# Allegro board pc051c_toplevel_209edited.brd (continued)
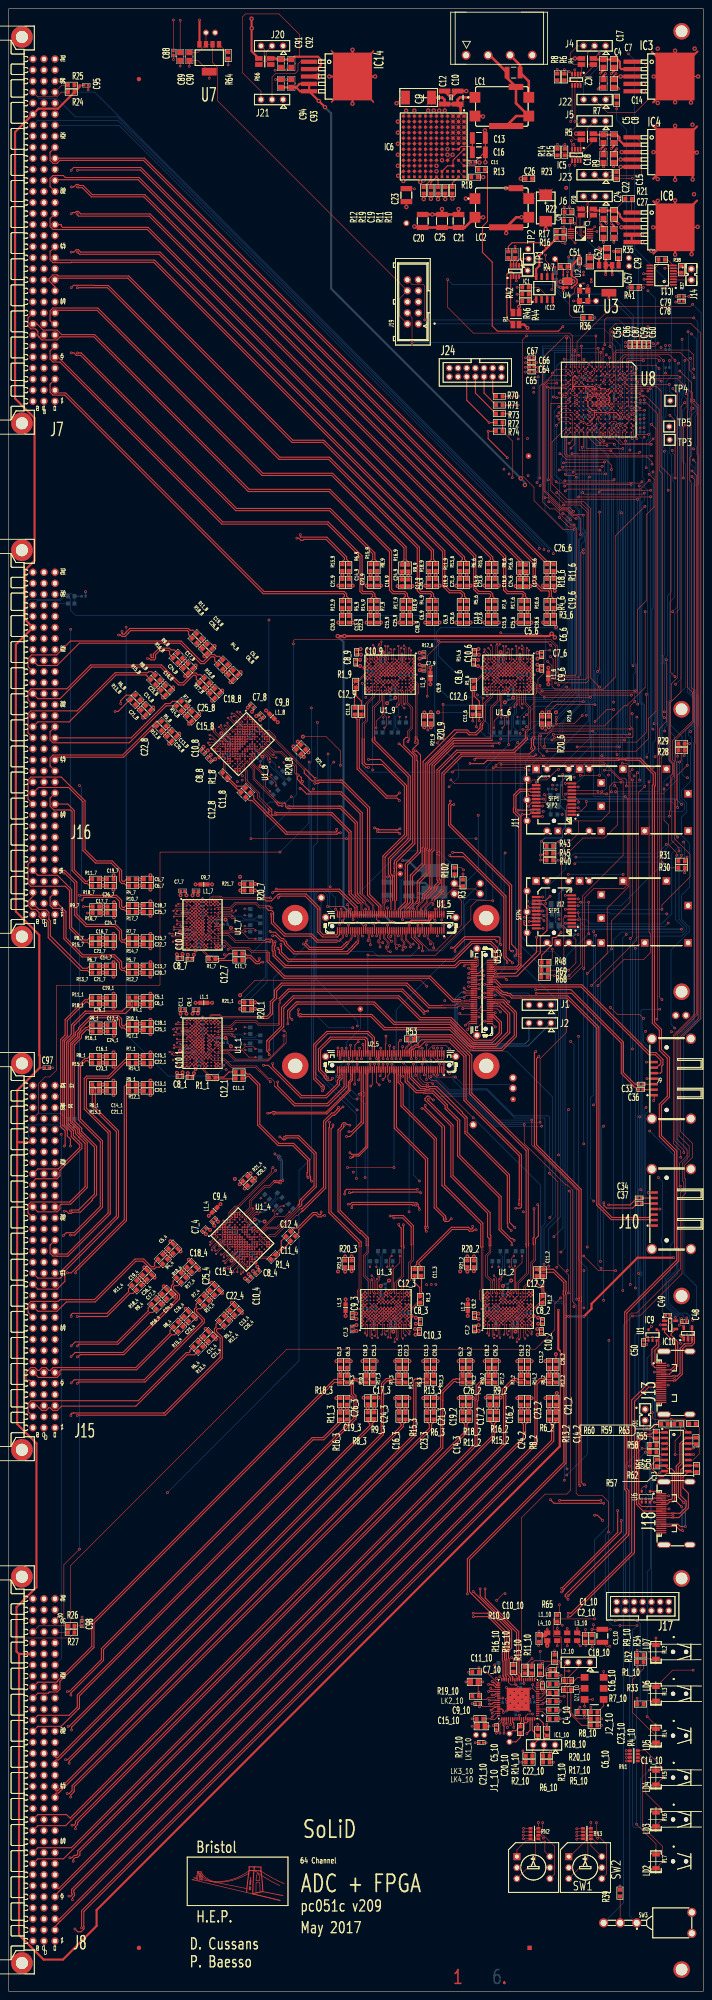
[diagram p0: board, top side]
## Routing (per net, layer and track width the routed paths; a pad name or vN(x,y) marks a point on that pad's centre or on a via; arc(x,y) is an arc through that point) (continued)
; U1_6.B4 v4(119.8,304.55) U1_6.A4 ; U1_6.B4 v4(119,304.55) ; U1_9.N7 v4(83.05,302.15) ; v4(83.05,302.15) U1_9.P7 v4(82.25,302.15) ; v4(83.05,302.15) U1_9.N6 v4(83.05,302.95) U1_9.N5 ; v4(53.28,289.83) U1_8.F2 ; U1_8.F2 v4(52.72,289.26) U1_8.G3 ; U1_8.F2 v4(52.72,290.39) U1_8.F1 ; U8.J7 v1(134.9,367.25) ; U8.J7 134.85,367.75 ; U8.J7 U8.J8 ; v4(109.35,159.5) 109.55,159.5 U1_2.A9 ; U1_2.A9 109.57,160.08 109.57,160.2 ; U1_6.J4 v4(113.4,303.75) 113.4,303.63 ; U1_6.J4 v4(114.2,303.75) ; U1_6.J4 v4(114.2,304.55) ; U1_3.A6 v4(82.1,157.8) ; U1_3.A6 v4(81.3,157.8) U1_3.A7 v4(82.1,157.8) ; RN3.4 130.95,35.1 v1(130.85,35) ; U1_2.J5 v4(115.85,157) ; U1_9.A4 v4(92.65,304.55) U1_9.B4 ; U1_9.A4 v4(92.65,303.75) ; v4(52.67,173) U1_4.F4 ; U2_5.80 80.81,215.86 v1(80.81,217.01) ; v1(135.9,365.25) U8.J10 ; U8.J10 U8.J9 ; U8.J10 U8.H10 136.4,365.25 ; U8.J10 U8.K10 U8.K9 ; v4(90.62,307.78) 90.62,306.58 U1_9.D1 U1_9.D2 v4(91.05,305.35) U1_9.C3 ; U1_4.H3 v4(52.1,171.3) U1_4.G3 ; v4(52.4,292.37) 53.24,291.53 U1_8.D1 U1_8.D2 v4(54.42,290.96) U1_8.C3 ; U1_2.H3 v4(115.05,154.6) U1_2.G3 ; U1_2.H3 v4(115.85,155.4) ; U1_2.H3 v4(115.05,155.4) ; v4(43.05,213.35) U1_1.N4 v4(43.05,214.15) U1_1.M4 v4(43.05,214.95) U1_1.M3 v4(42.25,214.95) U1_1.L2 v4(41.45,214.95) U1_1.L1 40.85,215.35 v4(40.55,215.05) ; v4(43.05,213.35) U1_1.P4 ; v4(87.09,298.56) 87.42,298.89 87.42,299.32 U1_9.H10 87.42,299.38 87.42,300.12 U1_9.H9 ; U1_3.F4 v4(86.1,155.4) ; U1_3.F4 v4(85.3,156.2) U1_3.F5 v4(86.1,157) ; U1_3.F4 v4(86.1,156.2) ; v4(86.1,155.4) U1_3.G3 ; v4(86.1,155.4) U1_3.G4 ; U1_3.P10 v4(92.5,161) ; U1_8.J5 v4(53.28,286.43) ; 109.57,155.4 v4(109.45,155.4) ; 109.57,155.4 109.57,155.28 U1_2.A3 v4(109.45,154.6) U1_2.A2 v4(109.45,153.8) U1_2.A1 v4(109.45,153) ; 109.57,155.4 109.57,155.52 U1_2.A4 ; v2(51.33,168.12) 52.1,168.9 U1_4.J1 U1_4.J2 v4(52.67,170.74) ; 59.51,288.13 U1_8.A10 ; 59.51,288.13 U1_8.B10 v4(60.07,287.57) U1_8.A10 ; v4(114.25,155.4) U1_2.G3 ; v4(114.25,155.4) U1_2.F4 ; v4(114.25,155.4) U1_2.G4 ; U1_2.G3 v4(115.05,155.4) ; U1_2.J4 v4(115.85,155.4) ; U1_6.A5 v4(120.6,303.75) U1_6.A4 ; U1_6.A5 120.6,302.95 ; v4(86.9,156.2) U1_3.G4 ; U1_3.G4 v4(86.1,156.2) ; v1(152.4,154.8) 152.4,155.4 C49.1 ; v4(86.25,302.95) U1_9.J6 v4(87.05,302.95) ; v4(86.25,302.95) U1_9.J5 ; 120.6,302.95 v4(121.1,302.95) ; U1_7.A5 v4(43.85,250.2) ; U1_7.A5 v4(43.85,251) U1_7.A4 ; U1_7.A5 44.65,251 ; v4(43.85,250.2) U1_7.A4 ; U1_9.B4 v4(91.85,304.55) ; U1_9.B4 v4(92.65,303.75) ; v4(91.85,304.55) U1_9.C3 ; v4(53.28,286.43) U1_8.H5 ; U1_2.F4 v4(114.25,156.2) ; v1(134.45,79.3) 134.35,79.4 C2_10.1 ; U1_1.D5 v4(43.85,220.55) U1_1.E5 ; v4(49.04,244.65) 48.71,244.97 48.28,244.97 U1_7.H10 48.22,244.97 47.48,244.97 U1_7.H9 ; v4(91.7,157.8) U1_3.P7 v4(92.5,157.8) ; v4(91.7,157.8) U1_3.N7 ; v1(63.97,442.1) 64.5,442.1 C92.1 ; v4(115.8,302.95) U1_6.F6 ; U1_4.D5 v4(51.54,174.13) U1_4.E5 ; U1_4.D5 U1_4.C6 U1_4.B5 v4(49.84,175.83) ; U1_8.C3 v4(55.55,290.96) ; U1_8.C3 v4(54.98,291.53) ; RN3.3 130.95,35.9 v1(130.85,35.8) ; v4(55.55,290.96) U1_8.C4 v4(55.55,289.83) U1_8.D5 ; v4(86.1,157) U1_3.F6 ; U4.2 128.7,395.63 v1(128.73,395.65) ; U1_1.P10 v4(48.65,212.55) ; U1_1.P10 v4(47.85,212.55) U1_1.P9 v4(47.85,213.35) ; U1_1.P10 v4(47.85,213.35) ; U1_1.P10 v4(48.65,213.35) U1_1.N10 v4(47.85,213.35) ; U1_9.P3 v4(83.05,305.35) U1_9.P2 v4(82.25,306.15) U1_9.P1 v4(82.25,306.95) ; R31.2 156.25,260.55 v1(156.25,260.98) ; v4(43.85,244.6) U1_7.H5 ; J13.5 v1(148.7,142.5) ; v4(115.05,156.2) U1_2.H5 ; v4(115.05,156.2) U1_2.G5 ; v4(115.05,156.2) U1_2.G4 ; U1_2.H5 v4(115.05,157) ; U1_2.H5 v4(115.85,157) ; U8.L11 133.45,363.71 133.45,363.7 v1(133.85,363.3) ; v4(91.7,155.4) U1_3.P3 ; v4(91.7,155.4) U1_3.P4 ; U1_3.P3 v4(91.7,154.6) U1_3.P2 v4(92.5,153.8) U1_3.P1 v4(92.5,153) ; U1_3.P3 92.4,155 v2(92.8,155.4) ; C50.1 v1(146.98,148.85) ; v4(43.05,249.4) U1_7.C3 ; J13.11 v1(151.92,139.5) ; U1_8.G5 v4(53.28,287.57) ; 151.95,396.49 v1(151.95,397.05) 152.02,397.12 IC11.8 151.72,398.5 R38.2 ; 151.95,396.49 v1(151.14,396.49) ; 151.95,396.49 IC11.7 154.49,396.49 R37.2 ; U1_1.F2 v4(41.45,219.75) U1_1.F1 ; U1_1.F2 v4(42.25,219.75) ; v1(144.75,74.6) R32.1 R34.1 v1(144.75,78.5) ; U1_2.G5 v4(115.05,157) ; U1_2.G5 v4(114.25,156.2) ; v1(130.4,442.13) 130.43,442.11 IC2.3 ; U1_7.P4 v4(43.05,240.6) ; v4(43.05,240.6) U1_7.N4 v4(43.05,241.4) U1_7.M4 v4(43.05,242.2) U1_7.M3 v4(42.25,242.2) U1_7.L2 v4(41.45,242.2) U1_7.L1 40.85,242.6 v4(40.55,242.3) ; v4(59.46,171.87) U1_4.P10 ; v4(59.46,171.87) U1_4.N10 v4(60.02,172.43) U1_4.P10 ; v4(59.46,171.87) U1_4.P9 v4(60.02,171.3) U1_4.P10 ; v4(59.46,171.87) U1_4.N9 ; U1_4.P10 v4(60.59,171.87) ; U1_9.P10 v4(82.25,299.75) U1_9.P9 v4(83.05,299.75) ; U1_9.P10 v4(83.05,299.75) ; U1_9.P10 v4(83.05,298.95) U1_9.N10 v4(83.05,299.75) ; U1_9.P10 v4(82.25,298.95) ; v4(87.05,302.95) U1_9.J5 ; 93.33,299.75 93.33,299.63 U1_9.A10 ; 93.33,299.75 v4(93.45,299.75) ; v4(53.28,287.57) U1_8.H5 ; v1(118.75,247.15) 118.92,246.98 J12.17 122.67,246.98 v1(123.3,246.35) ; C93.1 v1(63.97,439.9) ; U1_2.D5 v4(112.65,156.2) U1_2.E5 ; J18.8 v1(152.1,111) ; 44.65,251 v4(44.65,251.5) ; 44.65,251 U1_7.A6 ; v4(44.65,245.4) U1_7.H5 ; v4(115.8,304.55) U1_6.G3 ; 120.48,299.75 v4(120.6,299.75) ; v4(110.2,299.75) U1_6.N9 ; 136.4,365.25 U8.H9 U8.G9 U8.G10 137.4,364.75 v1(136.9,365.25) ; 136.4,365.25 136.9,365.25 ; RN2.1 v1(118.6,37.5) ; v1(46.2,440.2) U7.5 43.6,444.3 C90.1 v1(41.6,442.95) ; v4(114.2,304.55) U1_6.H3 ; U1_6.H3 v4(115,305.35) U1_6.G3 ; C98.1 v1(16.9,86.1) ; U1_8.B7 v4(57.81,289.83) ; U1_8.K5 v4(51.59,285.87) ; v4(47.85,213.35) U1_1.N9 ; C89.1 v1(39.5,443) ; v4(87.05,305.35) U1_9.J2 U1_9.J1 86.15,307.05 v2(86.15,308.15) ; U1_2.G4 v4(114.25,156.2) ; U1_2.G4 v4(115.05,155.4) ; R29.2 v1(156.8,287.1) ; v1(90.75,210.54) U2_5.39 ; v4(83.05,299.75) U1_9.N9 ; U1_4.H9 56.11,174.7 56.63,175.22 U1_4.H10 56.67,175.26 56.98,175.57 v4(57.44,175.57) ; 134.85,367.75 U8.K7 U8.K8 ; U1_9.G4 v4(88.65,303.75) ; v4(87.66,161.39) 87.33,161.06 87.33,160.63 U1_3.H10 87.33,160.57 87.33,159.83 U1_3.H9 ; v4(119,304.55) U1_6.C3 ; U1_6.C3 v4(118.2,305.35) U1_6.D2 U1_6.D1 117.77,306.58 v4(117.77,307.78) ; U1_6.C3 v4(119,305.35) ; v1(149.55,379.25) 148.8,378.5 C60.1 C59.1 C87.1 C86.1 C56.1 v1(142.05,378.5) ; J18.5 148.92,112.5 148.87,112.55 v1(148.7,112.55) ; v4(115.05,157) U1_2.H6 v4(115.85,157) ; U1_1.H3 v4(43.05,218.15) ; C64.1 v1(119,373.7) ; 109.57,160.2 109.57,160.32 U1_2.A10 ; 109.57,160.2 v4(109.45,160.2) ; 49.84,176.96 U1_4.A6 ; 49.84,176.96 v4(49.49,177.31) ; RN1.3 v1(142.3,53.8) ; v4(43.85,245.4) U1_7.H5 ; U1_9.C3 v4(91.85,305.35) ; U1_7.C3 v4(42.25,249.4) ; v4(119.85,160.2) U1_2.N9 ; U1_1.C3 v4(42.25,221.35) U1_1.D2 U1_1.D1 41.02,220.92 v4(39.82,220.92) ; U1_1.C3 v4(42.25,222.15) ; U1_3.B7 v4(82.1,157.8) ; U6.2 v1(146.76,113.35) ; QZ1.2 v1(130.1,388.95) ; v4(42.25,217.35) U1_1.J2 U1_1.J1 40.55,216.45 v2(39.45,216.45) ; U2.1 v1(132.41,395.6) ; U1.2 v1(148.3,150.5) ; IC12.4 v1(125.31,388.02) ; RN1.2 v1(142.25,54.6) ; v1(117.1,390.5) R44.2 ; RN3.1 130.95,37.5 v1(130.85,37.4) ; C24_8.1 v2(40.66,302.66) ; v1(135,406) 134.45,405.45 IC7.5 ; RN2.4 v1(118.55,35.1) ; C17_8.1 v2(43.07,305.07) ; C94.1 v1(61.5,439.9) ; C79.1 v1(153.75,390) ; U8.F11 v1(138.9,364.25) ; v1(153.35,141) J13.8 ; R33.1 v1(144.75,67.45) ; J18.11 v1(153,109.5) ; RN1.1 v1(142.25,55.4) ; RN2.3 v1(118.55,35.9) ; C26_4.1 C19_4.1 ; v1(90.75,217.36) U2_5.40 ; C88.1 v1(37.95,444.5) ; RN1.4 v1(142.3,53)
  TOP w0.15: U8.H7 v1(136.9,367.25) ; v1(136.9,367.25) U8.G8 v1(136.9,366.25) ; v1(136.9,367.25) U8.G7 ; v1(136.9,367.25) U8.H8 ; U8.J9 v1(135.9,365.25) U8.H9 ; U8.J9 v1(134.9,365.25) ; U8.J9 v1(135.9,366.25) ; 136.9,365.25 U8.H9 ; 136.9,365.25 v1(136.9,365.25) 136.9,365.25 U8.H10 136.41,364.74 137.39,364.74 U8.G10 ; 136.9,365.25 U8.G9 v1(136.9,366.25) ; U8.H9 v1(135.9,366.25) ; U8.H9 v1(136.9,366.25) ; v1(136.9,366.25) U8.H8 ; U8.H8 v1(135.9,367.25) U8.J7 ; U8.H8 v1(135.9,366.25) ; v1(133.9,367.25) U8.K8 ; U8.K8 v1(134.9,367.25) U8.J8 v1(135.9,366.25) ; U8.K8 v1(133.9,366.25) U8.K9 v1(134.9,365.25) ; U8.K10 v1(134.9,365.25) ; v1(134.9,365.25) U8.J10
  TOP w0.17: R20_10.1 v1(127.05,64.7) ; C6_10.1 v1(132.6,63.25) ; R7_10.1 v1(136.55,61.2) ; C9_10.1 v1(106.75,66.2) ; C1_10.1 132.95,80.35 v1(132.95,79.57) ; R4_10.1 v1(136.55,62.7) ; v1(122.05,79.56) 122.15,79.66 C10_10.1 ; v1(118.21,52.7) R3_10.1 ; C11_10.1 v1(105.95,73.4) ; R17_10.1 v1(127.05,62.7) ; C7_10.1 v1(105.31,71.2) ; C23_10.1 v1(125.75,78.34) ; R15_10.1 116.25,76.4 v1(115.85,76.8) ; C21_10.1 v1(107.45,57.2) ; C18_10.1 v1(124.15,74) ; C5_10.1 v1(112.35,59.4) ; R13_10.1 122.45,75 v1(122.95,75.5) ; R18_10.1 v1(126.99,70.7) ; v1(106.75,62.7) R12_10.1 ; C4_10.1 v1(122.95,71.4) ; QZ1_10.3 v1(137.05,73.6) ; v1(120.55,76.6) 118.85,74.9 R16_10.1 ; v1(125.49,52.7) R6_10.1 ; C15_10.1 v1(106.75,61)
  TOP w0.18: U1_5.1 v1(100.25,245.33) ; v1(112.1,234.65) 112.05,234.7 U3_5.11 ; J11.14 119.87,275.13 v1(119.5,275.5) ; U2_5.29 v1(93.25,213.33) ; U1_5.89 v1(78.25,245.33) ; v1(104.6,226.1) 104.7,226.2 U3_5.46 ; U1_5.74 v1(82.25,249.03) ; U3_5.12 107.02,234.57 106.31,234.57 105.97,234.23 v1(105.97,234.15) ; v1(113.3,238.45) 113.3,237.2 112.3,236.2 U3_5.5 ; U2_5.19 v1(95.75,210.87) ; U1_5.63 v1(84.75,242.87) ; U3_5.17 114.25,233.2 v1(114.7,232.75) ; U2_5.50 v1(88.25,214.57) ; U2_5.49 v1(88.25,213.33) ; U3_5.45 110.98,226.07 112.53,226.07 v1(113.25,225.35) ; J9.4 v1(147,210) ; U3_5.29 112.25,230.2 113.65,228.8 114.08,228.8 v1(115.21,227.67) ; U1_5.73 v1(82.25,245.33) ; v1(148.55,204.95) 148.69,205.09 J9.1 ; U3_5.6 105.15,236.2 v1(104.9,235.95) ; U1_5.7 v1(98.75,242.87) ; J12.20 v1(123.1,244.58) ; J10.7 v1(147.36,183.81) ; J12.1 v1(131.18,244.98) ; U3_5.18 v1(105.92,233.2) ; J10.4 v1(150.02,180) ; J11.9 v1(131.18,277.13) ; U3_5.36 v1(108.38,228.7) ; J12.11 v1(122.98,251.78) ; U3_5.24 v1(108.38,231.7) ; U2_5.79 80.75,209.85 v1(80.6,209.7) ; v1(119.6,249.7) 119.92,249.38 J12.14 ; U1_5.53 v1(87.25,245.33) ; U1_5.25 v1(94.25,245.33) ; U1_5.83 v1(79.75,242.87) ; J11.1 v1(131.18,270.73) ; U1_5.30 v1(93.25,249.03) ; J12.10 v1(128.22,252.18) ; J11.10 v1(128.22,277.93) ; J11.17 v1(122.98,272.73) ; U3_5.30 105.55,230.2 v1(104.9,230.85) ; U2_5.69 v1(83.25,213.33) ; U1_5.64 84.75,246.65 v1(85.3,246.1) ; U2_5.89 v1(78.25,213.33) ; U1_5.19 v1(95.75,242.87) ; U1_5.33 v1(92.25,245.33) ; U2_5.70 v1(83.25,214.57) ; U3_5.23 v1(109.62,231.7) ; J11.20 v1(122.93,270.33) ; J11.11 v1(121.5,278.25) ; J9.7 v1(146.9,213.81) ; U1_5.43 v1(89.75,242.87) ; U1_5.54 v1(87.25,249.3) ; J10.1 v1(147.36,176.19) ; U3_5.35 v1(109.62,228.7) ; J12.9 v1(131.18,251.38)
  TOP w0.25: C10_3.1 93.95,151.35 v2(93.7,151.1) ; v2(38.75,211.35) 39,211.1 C10_1.1 ; v2(80.95,306.35) 80.9,306.3 C8_9.1 ; C15_2.1 v2(117.15,145) ; C20_8.1 v2(36.95,287.07) ; C7_1.1 v2(39.6,224.95) ; C7_6.1 v2(121.8,308) ; C6_2.1 v2(106.95,145) ; C9_9.1 95,304.9 v2(94.65,305.25) ; C26_3.1 v2(78.8,136.5) ; C8_2.1 122,153.65 v2(121.95,153.6) ; v1(156.25,151.1) 156.45,150.9 IC10.2 ; C9_4.1 47.37,176.68 v2(47.37,176.18) ; C10_4.1 54.79,164.02 v2(54.44,164.02) ; C17_9.1 v2(93,323.35) ; C14_1.1 v2(24.15,209.55) ; v2(108.1,306.35) 108.05,306.3 C8_6.1 ; C16_2.1 v2(117.15,136.5) ; C6_8.1 v2(51.09,301.21) ; C16_1.1 v2(24.15,216.05) ; C22_4.1 v2(49.13,160.7) ; C9_1.1 42.7,225.3 v2(42.35,224.95) ; C9_7.1 42.7,252.55 v2(42.35,252.2) ; C18_4.1 v2(41.5,168.33) ; C10_7.1 39,238.35 v2(38.75,238.6) ; C8_1.1 41.3,211.2 v2(41.25,211.25) ; C6_1.1 v2(32.65,226.25) ; C5_8.1 v2(53.43,303.55) ; C8_8.1 46.57,284.45 v2(46.57,284.53) ; C17_6.1 v2(120.15,323.35) ; C22_2.1 v2(120.45,145) ; C14_3.1 v2(95.5,136.5) ; C25_1.1 v2(32.65,220.25) ; C19_3.1 v2(75.5,136.5) ; C20_3.1 v2(98.8,145) ; C13_1.1 v2(32.65,209.55) ; C9_3.1 79.75,155.05 v2(80.1,154.7) ; C19_7.1 v2(24.15,256.8) ; C23_4.1 v2(43.12,154.69) ; C24_6.1 v2(116.75,323.35) ; C26_7.1 v2(24.15,253.5) ; C17_2.1 v2(109.9,136.6) ; C18_2.1 v2(109.65,145) ; C22_6.1 v2(109.6,314.95) ; C15_8.1 v2(43.88,294) ; C15_1.1 v2(32.65,216.05) ; C16_6.1 v2(112.9,323.45) ; v2(44.87,286.36) 44.87,286.01 C10_8.1 ; C20_4.1 v2(53.73,156.1) ; C17_7.1 v2(24.25,250.55) ; C23_1.1 v2(24.15,212.75) ; C14_4.1 v2(45.39,152.42) ; C25_4.1 v2(43.83,166) ; C16_4.1 v2(40.79,157.02) ; C19_9.1 v2(99.25,323.45) ; C25_6.1 v2(117.1,314.95) ; IC1.3 v1(116.92,393.57) ; C18_3.1 v2(81.5,145) ; C24_1.1 v2(24.25,219.9) ; C6_3.1 v2(78.8,145) ; C22_7.1 v2(32.65,240) ; C20_2.1 v2(126.05,146.6) ; C17_1.1 v2(24.25,223.3) ; C13_9.1 v2(79.25,314.95) ; C23_6.1 v2(109.6,323.45) ; C5_4.1 v2(37.25,172.58) ; C18_6.1 v2(120.4,314.95) ; C18_9.1 v2(93.25,314.95) ; C5_9.1 v2(99.25,314.95) ; C15_9.1 v2(85.75,314.95) ; C20_9.1 v2(75.95,314.95) ; C24_9.1 v2(89.6,323.35) ; C25_3.1 v2(84.8,145) ; C5_1.1 v2(32.65,229.55) ; v2(93.8,153.6) 93.85,153.65 C8_3.1 ; C7_8.1 v2(55.09,295.38) ; C14_2.1 v2(123.65,136.5) ; C10_2.1 122.1,151.35 v2(121.85,151.1) ; C23_7.1 v2(24.15,240) ; C16_9.1 v2(85.75,323.45) ; C5_6.1 125.5,314.65 126.1,314.05 v2(126.1,313.92) ; C25_7.1 v2(32.65,247.5) ; C19_2.1 v2(103.65,136.5) ; C13_2.1 v2(123.65,145) ; v2(81.05,308.85) 80.8,308.6 C10_9.1 ; C26_6.1 v2(123.1,323.45) ; C19_8.1 v2(47.42,309.56) ; C15_7.1 v2(32.65,243.3) ; C19_6.1 125.5,322.55 v2(125.8,322.25) ; C25_2.1 v2(112.95,145) ; C22_9.1 v2(82.45,314.95) ; C23_8.1 v2(35.54,297.68) ; v2(126.25,137.65) 126.25,136.7 C21_2.1 ; C16_7.1 v2(24.15,243.3) ; C14_6.1 v2(106.4,323.45) ; C5_7.1 v2(32.65,256.8) ; v2(41.25,238.5) 41.3,238.45 C8_7.1 ; C7_9.1 v2(94.65,308) ; C13_8.1 v2(39.28,289.4) ; C24_7.1 v2(24.25,247.15) ; v2(108.2,308.85) 107.95,308.6 C10_6.1 ; v2(56.27,165.72) 56.35,165.72 57.02,165.04 ; C18_8.1 v2(49.18,299.3) ; C26_8.1 v2(45.08,307.22) ; C9_8.1 57.53,293.43 v2(57.03,293.43) ; C22_3.1 v2(92.3,145) ; C26_4.1 v2(33.58,164.23) ; C13_3.1 v2(95.5,145) ; C25_9.1 v2(89.95,314.95) ; C6_6.1 v2(123.1,314.95) ; C16_3.1 v2(89,136.5) ; C23_9.1 v2(82.45,323.45) ; C6_7.1 v2(32.65,253.5) ; C19_4.1 v2(31.24,166.57) ; C7_2.1 v2(108.25,151.95) ; C7_4.1 v2(45.42,174.24) ; C24_3.1 v2(85.15,136.6) ; C15_4.1 v2(46.8,163.03) ; C18_7.1 v2(32.65,250.8) ; C13_4.1 v2(51.4,158.43) ; C13_7.1 v2(32.65,236.8) ; C26_2.1 v2(106.95,136.5) ; C5_2.1 v2(103.65,145) ; C20_7.1 v2(32.65,233.5) ; C23_3.1 v2(92.3,136.5) ; C18_1.1 v2(32.65,223.55) ; C26_1.1 v2(24.15,226.25) ; C21_6.1 v2(103.1,323.45) ; C19_1.1 v2(24.15,229.55) ; C9_6.1 122.15,304.9 v2(121.8,305.25) ; C7_3.1 v2(80.1,151.95) ; C21_7.1 v2(24.15,233.5) ; C26_9.1 v2(95.95,323.45) ; C14_7.1 v2(24.15,236.8) ; R3.2 v1(104.65,257.1) ; C21_3.1 v2(98.8,136.5) ; R2.1 v1(116.65,401.5) ; C21_8.1 v2(30.94,293.08) ; C21_4.1 v2(47.72,150.09) ; C20_1.1 v2(32.65,206.25) ; 37.23,299.37 v2(37.87,300.01) ; C13_6.1 v2(106.4,314.95) ; C25_8.1 v2(46.85,296.97) ; C22_1.1 v2(32.65,212.75) ; C23_2.1 v2(120.45,136.5) ; C22_8.1 v2(41.55,291.67) ; v2(108.25,154.7) 107.9,155.05 C9_2.1 ; C15_6.1 v2(112.9,314.95) ; C6_9.1 v2(95.95,314.95) ; C24_2.1 v2(113.3,136.6) ; C14_9.1 v2(79.25,323.45) ; C21_9.1 v2(75.95,323.45) ; C5_3.1 v2(75.5,145) ; C20_6.1 v2(103.1,314.95) ; C17_3.1 v2(81.75,136.6) ; C95.1 v1(18.3,437.5) ; C7_7.1 v2(39.6,252.2) ; C14_8.1 v2(33.27,295.41) ; C21_1.1 v2(24.15,206.25) ; C97.1 v1(10.1,212.5) ; C15_3.1 v2(89,145)
  TOP w0.3: IC8.6 158.6,405.9 v3(158.7,406) ; v1(139.9,441.25) 139.4,440.75 C14.1 140.1,440.6 v3(140.95,440.6) ; 148.5,411.9 148.5,411.89 ; v3(158.5,423.1) 158.4,423.2 ; IC3.6 v3(158.8,440.6) 158.95,440.75 ; 148.45,417.05 148.45,417.06 ; U4.2 U4.7
  TOP w0.379: IC14.6 84.01,434.72 ; IC14.6 74.39,434.72 ; IC14.6 84.01,446.48 ; IC14.6 74.39,446.48 ; 71.48,440 IC14.3 71.48,441.2
  TOP w0.5: 153.5,422.1 149.19,417.79 149.17,417.79 148.45,417.06 ; 153.5,422.1 IC4.6 ; 153.5,422.1 v3(153.5,416.8) ; 153.5,424.25 148.4,429.35 ; 153.5,424.25 153.5,424.05 ; 153.5,424.25 v3(153.5,429.25) ; v1(136.25,406.7) 137,405.95 C29.1 ; v1(136.35,423.9) 137,424.55 C5.1 ; v3(140.95,440.6) IC3.3 ; 153.5,440.9 148.15,446.25 ; 153.5,440.9 IC3.6 ; 153.5,440.9 153.5,441.2 ; 153.5,424.05 158.55,429.1 ; 153.5,424.05 IC4.6 ; 148.5,411.89 149.17,411.21 149.19,411.21 153.5,406.9 ; 153.5,439.7 148.45,434.65 ; 153.5,439.7 v3(153.5,434.67) ; 153.5,439.7 IC3.6 ; 153.5,441.2 158.65,446.35 ; 153.5,441.2 v3(153.5,446.53) ; v3(157.55,416.9) 157.55,419.15 IC4.6 ; 153.5,406.9 153.5,407 ; 153.5,406.9 IC8.6 ; IC14.6 v3(79.2,446.75) ; IC14.6 v3(79.2,434.35) ; IC14.6 v3(73.85,440.6) ; IC14.6 v3(84.4,440.6) ; C17.1 137,440.8 v1(137.45,441.25) ; IC4.6 v3(148.5,423.2) ; IC4.6 158.4,423.2 ; v1(137.7,406.8) 137,407.5 C24.1 ; C18.1 137,423.4 v1(137.5,423.9) ; 153.5,404.85 IC8.6 ; 153.5,404.85 v3(153.5,399.6) ; 153.5,404.85 148.5,399.85 ; IC8.6 v3(148.45,405.9) ; IC8.6 157.3,402.1 v3(157.3,399.7) ; v1(140.4,406.75) 139.45,407.7 C22.1 ; v1(140.1,423.95) 139.4,423.25 C15.1 ; 153.5,407 158.55,412.05 ; 153.5,407 v3(153.5,412.1) ; U3.5 v1(138.25,389.53) ; IC3.6 157.15,436.95 v3(157.15,434.6) ; IC3.6 v3(148.57,440.6) ; v1(135.95,401.2) 136.15,401 C57.1 ; IC8.3 v3(141.15,405.9) ; v1(138.8,424) 139.4,424.6 C8.1 ; v1(138.8,441.25) 139.4,441.85 C7.1 ; IC14.3 v3(71.65,440.6) ; v1(138.85,406.75) 139.4,406.2 C27.1 ; C4.1 137,442.05 v1(136.3,441.35) ; IC4.3 v3(141.2,423.2)
  TOP w0.6: LC2.4 v3(118.12,408.2) 116.9,408.2 LC2.6 v3(114.6,404.56) ; v3(114.52,414.9) LC2.5 ; C28.2 v3(123.7,405.5) ; U4.7 v3(130.05,393.45) ; C26.1 v3(117.97,417.1)